# KiCad board element_foxtrot.kicad_pcb (continued)
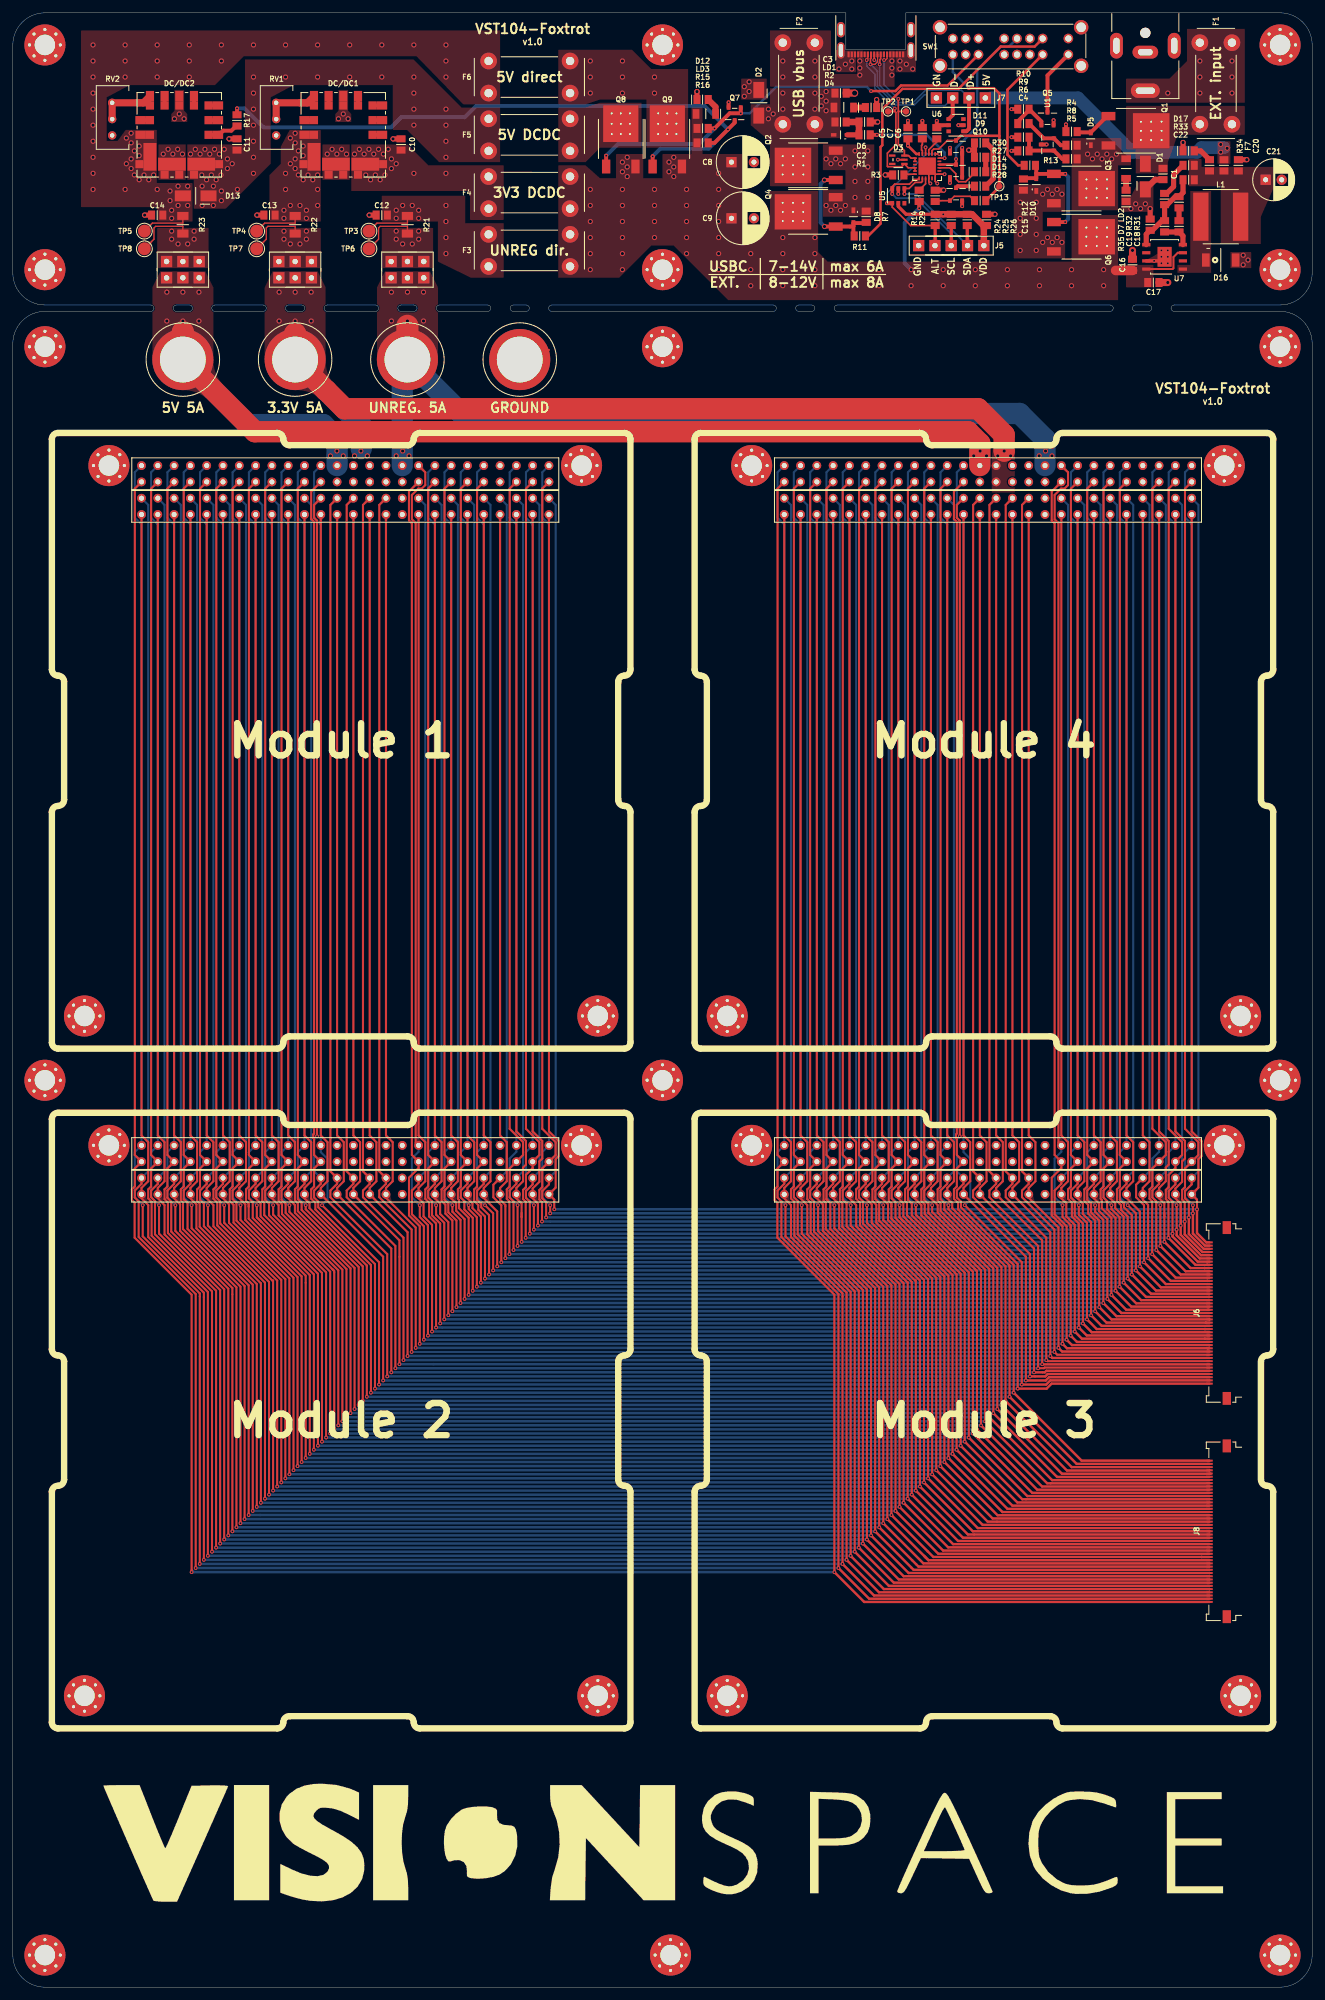
[diagram p0: board, top side]
## Copper pours and planes (outline as drawn; the poured copper is in the pictures) (continued)
/H2-19 on Top: 142.08,129.34 142.14,129.27 142.2,129.21 142.25,129.13 142.29,129.06 142.32,128.99 142.35,128.91 142.38,128.83 142.39,128.74 142.4,128.66 142.4,128.57 143.33,128.32 143.08,129.25 142.99,129.25 142.91,129.26 142.82,129.27 142.74,129.3 142.66,129.33 142.59,129.36 142.52,129.4 142.44,129.45 142.38,129.51 142.31,129.57
/H2-19 on Top: 142.31,233.44 142.38,233.5 142.44,233.56 142.52,233.61 142.59,233.65 142.66,233.68 142.74,233.71 142.82,233.74 142.91,233.75 142.99,233.76 143.08,233.76 143.33,234.69 142.4,234.44 142.4,234.35 142.39,234.27 142.38,234.18 142.35,234.1 142.32,234.02 142.29,233.95 142.25,233.88 142.2,233.8 142.14,233.74 142.08,233.67
/H2-19 on Top: 142.31,127.56 142.38,127.62 142.44,127.68 142.52,127.73 142.59,127.77 142.66,127.8 142.74,127.83 142.82,127.86 142.91,127.87 142.99,127.88 143.08,127.88 143.33,128.81 142.4,128.56 142.4,128.47 142.39,128.39 142.38,128.3 142.35,128.22 142.32,128.14 142.29,128.07 142.25,128 142.2,127.92 142.14,127.86 142.08,127.79
/H2-20 on Bottom: 42.14,235.98 42.21,236.04 42.27,236.1 42.35,236.15 42.42,236.19 42.49,236.22 42.57,236.25 42.65,236.28 42.74,236.29 42.82,236.3 42.91,236.3 43.16,237.23 42.23,236.98 42.23,236.89 42.22,236.81 42.21,236.72 42.18,236.64 42.15,236.56 42.12,236.49 42.08,236.42 42.03,236.34 41.97,236.28 41.91,236.21
/H2-20 on Bottom: 42.75,132.36 42.75,132.27 42.74,132.18 42.73,132.1 42.7,132.02 42.67,131.94 42.64,131.86 42.6,131.79 42.55,131.72 42.5,131.66 42.44,131.59 42.92,130.76 43.39,131.59 43.33,131.66 43.28,131.72 43.23,131.79 43.19,131.86 43.16,131.94 43.13,132.02 43.1,132.1 43.09,132.18 43.08,132.27 43.08,132.36
/H2-20 on Bottom: 42.14,130.1 42.21,130.16 42.27,130.22 42.35,130.27 42.42,130.31 42.49,130.34 42.57,130.37 42.65,130.4 42.74,130.41 42.82,130.42 42.91,130.42 43.16,131.35 42.23,131.1 42.23,131.01 42.22,130.93 42.21,130.84 42.18,130.76 42.15,130.68 42.12,130.61 42.08,130.54 42.03,130.46 41.97,130.4 41.91,130.33
/H2-20 on Bottom: 142.31,235.98 142.38,236.04 142.44,236.1 142.52,236.15 142.59,236.19 142.66,236.22 142.74,236.25 142.82,236.28 142.91,236.29 142.99,236.3 143.08,236.3 143.33,237.23 142.4,236.98 142.4,236.89 142.39,236.81 142.38,236.72 142.35,236.64 142.32,236.56 142.29,236.49 142.25,236.42 142.2,236.34 142.14,236.28 142.08,236.21
/H2-20 on Bottom: 142.92,132.36 142.92,132.27 142.91,132.18 142.9,132.1 142.87,132.02 142.84,131.94 142.81,131.86 142.77,131.79 142.72,131.72 142.67,131.66 142.61,131.59 143.09,130.76 143.56,131.59 143.5,131.66 143.45,131.72 143.4,131.79 143.36,131.86 143.33,131.94 143.3,132.02 143.27,132.1 143.26,132.18 143.25,132.27 143.25,132.36
/H2-20 on Bottom: 142.31,130.1 142.38,130.16 142.44,130.22 142.52,130.27 142.59,130.31 142.66,130.34 142.74,130.37 142.82,130.4 142.91,130.41 142.99,130.42 143.08,130.42 143.33,131.35 142.4,131.1 142.4,131.01 142.39,130.93 142.38,130.84 142.35,130.76 142.32,130.68 142.29,130.61 142.25,130.54 142.2,130.46 142.14,130.4 142.08,130.33
/H2-21 on Top: 44.68,127.56 44.75,127.62 44.81,127.68 44.89,127.73 44.96,127.77 45.03,127.8 45.11,127.83 45.19,127.86 45.28,127.87 45.36,127.88 45.45,127.88 45.7,128.81 44.77,128.56 44.77,128.47 44.76,128.39 44.75,128.3 44.72,128.22 44.69,128.14 44.66,128.07 44.62,128 44.57,127.92 44.51,127.86 44.45,127.79
/H2-21 on Top: 44.45,129.34 44.51,129.27 44.57,129.21 44.62,129.13 44.66,129.06 44.69,128.99 44.72,128.91 44.75,128.83 44.76,128.74 44.77,128.66 44.77,128.57 45.7,128.32 45.45,129.25 45.36,129.25 45.28,129.26 45.19,129.27 45.11,129.3 45.03,129.33 44.96,129.36 44.89,129.4 44.81,129.45 44.75,129.51 44.68,129.57
/H2-21 on Top: 44.68,233.44 44.75,233.5 44.81,233.56 44.89,233.61 44.96,233.65 45.03,233.68 45.11,233.71 45.19,233.74 45.28,233.75 45.36,233.76 45.45,233.76 45.7,234.69 44.77,234.44 44.77,234.35 44.76,234.27 44.75,234.18 44.72,234.1 44.69,234.02 44.66,233.95 44.62,233.88 44.57,233.8 44.51,233.74 44.45,233.67
/H2-21 on Top: 144.85,233.44 144.92,233.5 144.98,233.56 145.06,233.61 145.13,233.65 145.2,233.68 145.28,233.71 145.36,233.74 145.45,233.75 145.53,233.76 145.62,233.76 145.87,234.69 144.94,234.44 144.94,234.35 144.93,234.27 144.92,234.18 144.89,234.1 144.86,234.02 144.83,233.95 144.79,233.88 144.74,233.8 144.68,233.74 144.62,233.67
/H2-21 on Top: 144.62,129.34 144.68,129.27 144.74,129.21 144.79,129.13 144.83,129.06 144.86,128.99 144.89,128.91 144.92,128.83 144.93,128.74 144.94,128.66 144.94,128.57 145.87,128.32 145.62,129.25 145.53,129.25 145.45,129.26 145.36,129.27 145.28,129.3 145.2,129.33 145.13,129.36 145.06,129.4 144.98,129.45 144.92,129.51 144.85,129.57
/H2-21 on Top: 144.85,127.56 144.92,127.62 144.98,127.68 145.06,127.73 145.13,127.77 145.2,127.8 145.28,127.83 145.36,127.86 145.45,127.87 145.53,127.88 145.62,127.88 145.87,128.81 144.94,128.56 144.94,128.47 144.93,128.39 144.92,128.3 144.89,128.22 144.86,128.14 144.83,128.07 144.79,128 144.74,127.92 144.68,127.86 144.62,127.79
/H2-22 on Bottom: 44.68,235.98 44.75,236.04 44.81,236.1 44.89,236.15 44.96,236.19 45.03,236.22 45.11,236.25 45.19,236.28 45.28,236.29 45.36,236.3 45.45,236.3 45.7,237.23 44.77,236.98 44.77,236.89 44.76,236.81 44.75,236.72 44.72,236.64 44.69,236.56 44.66,236.49 44.62,236.42 44.57,236.34 44.51,236.28 44.45,236.21
/H2-22 on Bottom: 45.29,132.36 45.29,132.27 45.28,132.18 45.27,132.1 45.24,132.02 45.21,131.94 45.18,131.86 45.14,131.79 45.09,131.72 45.04,131.66 44.98,131.59 45.45,130.76 45.93,131.59 45.87,131.66 45.82,131.72 45.77,131.79 45.73,131.86 45.7,131.94 45.67,132.02 45.64,132.1 45.63,132.18 45.62,132.27 45.62,132.36
/H2-22 on Bottom: 44.68,130.1 44.75,130.16 44.81,130.22 44.89,130.27 44.96,130.31 45.03,130.34 45.11,130.37 45.19,130.4 45.28,130.41 45.36,130.42 45.45,130.42 45.7,131.35 44.77,131.1 44.77,131.01 44.76,130.93 44.75,130.84 44.72,130.76 44.69,130.68 44.66,130.61 44.62,130.54 44.57,130.46 44.51,130.4 44.45,130.33
/H2-22 on Bottom: 144.85,235.98 144.92,236.04 144.98,236.1 145.06,236.15 145.13,236.19 145.2,236.22 145.28,236.25 145.36,236.28 145.45,236.29 145.53,236.3 145.62,236.3 145.87,237.23 144.94,236.98 144.94,236.89 144.93,236.81 144.92,236.72 144.89,236.64 144.86,236.56 144.83,236.49 144.79,236.42 144.74,236.34 144.68,236.28 144.62,236.21
/H2-22 on Bottom: 145.46,132.36 145.46,132.27 145.45,132.18 145.44,132.1 145.41,132.02 145.38,131.94 145.35,131.86 145.31,131.79 145.26,131.72 145.21,131.66 145.15,131.59 145.62,130.76 146.1,131.59 146.04,131.66 145.99,131.72 145.94,131.79 145.9,131.86 145.87,131.94 145.84,132.02 145.81,132.1 145.8,132.18 145.79,132.27 145.79,132.36
/H2-22 on Bottom: 144.85,130.1 144.92,130.16 144.98,130.22 145.06,130.27 145.13,130.31 145.2,130.34 145.28,130.37 145.36,130.4 145.45,130.41 145.53,130.42 145.62,130.42 145.87,131.35 144.94,131.1 144.94,131.01 144.93,130.93 144.92,130.84 144.89,130.76 144.86,130.68 144.83,130.61 144.79,130.54 144.74,130.46 144.68,130.4 144.62,130.33
/H2-23 on Top: 47.22,127.56 47.29,127.62 47.35,127.68 47.43,127.73 47.5,127.77 47.57,127.8 47.65,127.83 47.73,127.86 47.82,127.87 47.9,127.88 47.99,127.88 48.24,128.81 47.31,128.56 47.31,128.47 47.3,128.39 47.29,128.3 47.26,128.22 47.23,128.14 47.2,128.07 47.16,128 47.11,127.92 47.05,127.86 46.99,127.79
/H2-23 on Top: 46.99,129.34 47.05,129.27 47.11,129.21 47.16,129.13 47.2,129.06 47.23,128.99 47.26,128.91 47.29,128.83 47.3,128.74 47.31,128.66 47.31,128.57 48.24,128.32 47.99,129.25 47.9,129.25 47.82,129.26 47.73,129.27 47.65,129.3 47.57,129.33 47.5,129.36 47.43,129.4 47.35,129.45 47.29,129.51 47.22,129.57
/H2-23 on Top: 47.22,233.44 47.29,233.5 47.35,233.56 47.43,233.61 47.5,233.65 47.57,233.68 47.65,233.71 47.73,233.74 47.82,233.75 47.9,233.76 47.99,233.76 48.24,234.69 47.31,234.44 47.31,234.35 47.3,234.27 47.29,234.18 47.26,234.1 47.23,234.02 47.2,233.95 47.16,233.88 47.11,233.8 47.05,233.74 46.99,233.67
/H2-23 on Top: 147.16,129.34 147.22,129.27 147.28,129.21 147.33,129.13 147.37,129.06 147.4,128.99 147.43,128.91 147.46,128.83 147.47,128.74 147.48,128.66 147.48,128.57 148.41,128.32 148.16,129.25 148.07,129.25 147.99,129.26 147.9,129.27 147.82,129.3 147.74,129.33 147.67,129.36 147.6,129.4 147.52,129.45 147.46,129.51 147.39,129.57
/H2-23 on Top: 147.39,233.44 147.46,233.5 147.52,233.56 147.6,233.61 147.67,233.65 147.74,233.68 147.82,233.71 147.9,233.74 147.99,233.75 148.07,233.76 148.16,233.76 148.41,234.69 147.48,234.44 147.48,234.35 147.47,234.27 147.46,234.18 147.43,234.1 147.4,234.02 147.37,233.95 147.33,233.88 147.28,233.8 147.22,233.74 147.16,233.67
/H2-23 on Top: 147.39,127.56 147.46,127.62 147.52,127.68 147.6,127.73 147.67,127.77 147.74,127.8 147.82,127.83 147.9,127.86 147.99,127.87 148.07,127.88 148.16,127.88 148.41,128.81 147.48,128.56 147.48,128.47 147.47,128.39 147.46,128.3 147.43,128.22 147.4,128.14 147.37,128.07 147.33,128 147.28,127.92 147.22,127.86 147.16,127.79
/H2-24 on Bottom: 47.22,235.98 47.29,236.04 47.35,236.1 47.43,236.15 47.5,236.19 47.57,236.22 47.65,236.25 47.73,236.28 47.82,236.29 47.9,236.3 47.99,236.3 48.24,237.23 47.31,236.98 47.31,236.89 47.3,236.81 47.29,236.72 47.26,236.64 47.23,236.56 47.2,236.49 47.16,236.42 47.11,236.34 47.05,236.28 46.99,236.21
/H2-24 on Bottom: 47.83,132.36 47.83,132.27 47.82,132.18 47.81,132.1 47.78,132.02 47.75,131.94 47.72,131.86 47.68,131.79 47.63,131.72 47.58,131.66 47.52,131.59 48,130.76 48.47,131.59 48.41,131.66 48.36,131.72 48.31,131.79 48.27,131.86 48.24,131.94 48.21,132.02 48.18,132.1 48.17,132.18 48.16,132.27 48.16,132.36
/H2-24 on Bottom: 48.16,130.06 48.16,130.11 48.17,130.16 48.18,130.21 48.21,130.27 48.24,130.32 48.27,130.38 48.31,130.44 48.36,130.5 48.41,130.56 48.47,130.62 48,131.45 47.52,130.62 47.58,130.56 47.63,130.5 47.68,130.44 47.72,130.38 47.75,130.32 47.78,130.27 47.81,130.21 47.82,130.16 47.83,130.11 47.83,130.06
/H2-24 on Bottom: 147.39,235.98 147.46,236.04 147.52,236.1 147.6,236.15 147.67,236.19 147.74,236.22 147.82,236.25 147.9,236.28 147.99,236.29 148.07,236.3 148.16,236.3 148.41,237.23 147.48,236.98 147.48,236.89 147.47,236.81 147.46,236.72 147.43,236.64 147.4,236.56 147.37,236.49 147.33,236.42 147.28,236.34 147.22,236.28 147.16,236.21
/H2-24 on Bottom: 148,132.36 148,132.27 147.99,132.18 147.98,132.1 147.95,132.02 147.92,131.94 147.89,131.86 147.85,131.79 147.8,131.72 147.75,131.66 147.69,131.59 148.16,130.76 148.64,131.59 148.58,131.66 148.53,131.72 148.48,131.79 148.44,131.86 148.41,131.94 148.38,132.02 148.35,132.1 148.34,132.18 148.33,132.27 148.33,132.36
/H2-24 on Bottom: 148.33,130.06 148.33,130.11 148.34,130.16 148.35,130.21 148.38,130.27 148.41,130.32 148.44,130.38 148.48,130.44 148.53,130.5 148.58,130.56 148.64,130.62 148.16,131.45 147.69,130.62 147.75,130.56 147.8,130.5 147.85,130.44 147.89,130.38 147.92,130.32 147.95,130.27 147.98,130.21 147.99,130.16 148,130.11 148,130.06
/H2-35 on Top: 63.4,127.57 63.4,127.61 63.41,127.65 63.42,127.7 63.45,127.75 63.48,127.8 63.51,127.85 63.55,127.9 63.6,127.96 63.65,128.02 63.71,128.08 63.23,128.91 62.76,128.08 62.82,128.02 62.87,127.96 62.92,127.9 62.96,127.85 62.99,127.8 63.02,127.75 63.05,127.7 63.06,127.65 63.07,127.61 63.07,127.57
/H2-35 on Top: 62.23,129.34 62.29,129.27 62.35,129.21 62.4,129.13 62.44,129.06 62.47,128.99 62.5,128.91 62.53,128.83 62.54,128.74 62.55,128.66 62.55,128.57 63.48,128.32 63.23,129.25 63.14,129.25 63.06,129.26 62.97,129.27 62.89,129.3 62.81,129.33 62.74,129.36 62.67,129.4 62.59,129.45 62.53,129.51 62.46,129.57
/H2-35 on Top: 62.46,233.44 62.53,233.5 62.59,233.56 62.67,233.61 62.74,233.65 62.81,233.68 62.89,233.71 62.97,233.74 63.06,233.75 63.14,233.76 63.23,233.76 63.48,234.69 62.55,234.44 62.55,234.35 62.54,234.27 62.53,234.18 62.5,234.1 62.47,234.02 62.44,233.95 62.4,233.88 62.35,233.8 62.29,233.74 62.23,233.67
/H2-35 on Top: 162.4,129.34 162.46,129.27 162.52,129.21 162.57,129.13 162.61,129.06 162.64,128.99 162.67,128.91 162.7,128.83 162.71,128.74 162.72,128.66 162.72,128.57 163.65,128.32 163.4,129.25 163.31,129.25 163.23,129.26 163.14,129.27 163.06,129.3 162.98,129.33 162.91,129.36 162.84,129.4 162.76,129.45 162.7,129.51 162.63,129.57
/H2-35 on Top: 162.63,233.44 162.7,233.5 162.76,233.56 162.84,233.61 162.91,233.65 162.98,233.68 163.06,233.71 163.14,233.74 163.23,233.75 163.31,233.76 163.4,233.76 163.65,234.69 162.72,234.44 162.72,234.35 162.71,234.27 162.7,234.18 162.67,234.1 162.64,234.02 162.61,233.95 162.57,233.88 162.52,233.8 162.46,233.74 162.4,233.67
/H2-35 on Top: 163.57,127.57 163.57,127.61 163.58,127.65 163.59,127.7 163.62,127.75 163.65,127.8 163.68,127.85 163.72,127.9 163.77,127.96 163.82,128.02 163.88,128.08 163.41,128.91 162.93,128.08 162.99,128.02 163.04,127.96 163.09,127.9 163.13,127.85 163.16,127.8 163.19,127.75 163.22,127.7 163.23,127.65 163.24,127.61 163.24,127.57
/H2-36 on Top: 62.62,132.81 62.71,132.64 62.77,132.47 62.82,132.32 62.86,132.18 62.88,132.05 62.89,131.94 62.88,131.83 62.85,131.74 62.81,131.66 62.76,131.59 63.23,130.76 63.71,131.59 63.65,131.66 63.58,131.74 63.51,131.83 63.44,131.94 63.36,132.05 63.29,132.18 63.2,132.32 63.12,132.47 63.04,132.64 62.95,132.81
/H2-36 on Top: 64.24,236.21 64.18,236.28 64.12,236.34 64.07,236.42 64.03,236.49 64,236.56 63.97,236.64 63.94,236.72 63.93,236.81 63.92,236.89 63.92,236.98 62.99,237.23 63.24,236.3 63.33,236.3 63.41,236.29 63.5,236.28 63.58,236.25 63.66,236.22 63.73,236.19 63.8,236.15 63.88,236.1 63.94,236.04 64.01,235.98
/H2-36 on Top: 164.41,236.21 164.35,236.28 164.29,236.34 164.24,236.42 164.2,236.49 164.17,236.56 164.14,236.64 164.11,236.72 164.1,236.81 164.09,236.89 164.09,236.98 163.16,237.23 163.41,236.3 163.5,236.3 163.58,236.29 163.67,236.28 163.75,236.25 163.83,236.22 163.9,236.19 163.97,236.15 164.05,236.1 164.11,236.04 164.18,235.98
/H2-36 on Top: 162.79,132.81 162.88,132.64 162.94,132.47 162.99,132.32 163.03,132.18 163.05,132.05 163.06,131.94 163.05,131.83 163.02,131.74 162.98,131.66 162.93,131.59 163.41,130.76 163.88,131.59 163.82,131.66 163.75,131.74 163.68,131.83 163.61,131.94 163.53,132.05 163.46,132.18 163.37,132.32 163.29,132.47 163.21,132.64 163.12,132.81
/H2-36 on Bottom: 63.4,130.11 63.4,130.15 63.41,130.19 63.42,130.24 63.45,130.29 63.48,130.34 63.51,130.39 63.55,130.44 63.6,130.5 63.65,130.56 63.71,130.62 63.23,131.45 62.76,130.62 62.82,130.56 62.87,130.5 62.92,130.44 62.96,130.39 62.99,130.34 63.02,130.29 63.05,130.24 63.06,130.19 63.07,130.15 63.07,130.11
/H2-36 on Bottom: 163.57,130.11 163.57,130.15 163.58,130.19 163.59,130.24 163.62,130.29 163.65,130.34 163.68,130.39 163.72,130.44 163.77,130.5 163.82,130.56 163.88,130.62 163.41,131.45 162.93,130.62 162.99,130.56 163.04,130.5 163.09,130.44 163.13,130.39 163.16,130.34 163.19,130.29 163.22,130.24 163.23,130.19 163.24,130.15 163.24,130.11
/H2-37 on Top: 65,127.56 65.07,127.62 65.13,127.68 65.21,127.73 65.28,127.77 65.35,127.8 65.43,127.83 65.51,127.86 65.6,127.87 65.68,127.88 65.77,127.88 66.02,128.81 65.09,128.56 65.09,128.47 65.08,128.39 65.07,128.3 65.04,128.22 65.01,128.14 64.98,128.07 64.94,128 64.89,127.92 64.83,127.86 64.77,127.79
/H2-37 on Top: 64.77,129.34 64.83,129.27 64.89,129.21 64.94,129.13 64.98,129.06 65.01,128.99 65.04,128.91 65.07,128.83 65.08,128.74 65.09,128.66 65.09,128.57 66.02,128.32 65.77,129.25 65.68,129.25 65.6,129.26 65.51,129.27 65.43,129.3 65.35,129.33 65.28,129.36 65.21,129.4 65.13,129.45 65.07,129.51 65,129.57
/H2-37 on Top: 65,233.44 65.07,233.5 65.13,233.56 65.21,233.61 65.28,233.65 65.35,233.68 65.43,233.71 65.51,233.74 65.6,233.75 65.68,233.76 65.77,233.76 66.02,234.69 65.09,234.44 65.09,234.35 65.08,234.27 65.07,234.18 65.04,234.1 65.01,234.02 64.98,233.95 64.94,233.88 64.89,233.8 64.83,233.74 64.77,233.67
/H2-37 on Top: 164.94,129.34 165,129.27 165.06,129.21 165.11,129.13 165.15,129.06 165.18,128.99 165.21,128.91 165.24,128.83 165.25,128.74 165.26,128.66 165.26,128.57 166.19,128.32 165.94,129.25 165.85,129.25 165.77,129.26 165.68,129.27 165.6,129.3 165.52,129.33 165.45,129.36 165.38,129.4 165.3,129.45 165.24,129.51 165.17,129.57
/H2-37 on Top: 165.17,233.44 165.24,233.5 165.3,233.56 165.38,233.61 165.45,233.65 165.52,233.68 165.6,233.71 165.68,233.74 165.77,233.75 165.85,233.76 165.94,233.76 166.19,234.69 165.26,234.44 165.26,234.35 165.25,234.27 165.24,234.18 165.21,234.1 165.18,234.02 165.15,233.95 165.11,233.88 165.06,233.8 165,233.74 164.94,233.67
/H2-37 on Top: 165.17,127.56 165.24,127.62 165.3,127.68 165.38,127.73 165.45,127.77 165.52,127.8 165.6,127.83 165.68,127.86 165.77,127.87 165.85,127.88 165.94,127.88 166.19,128.81 165.26,128.56 165.26,128.47 165.25,128.39 165.24,128.3 165.21,128.22 165.18,128.14 165.15,128.07 165.11,128 165.06,127.92 165,127.86 164.94,127.79
/H2-38 on Bottom: 65,235.98 65.07,236.04 65.13,236.1 65.21,236.15 65.28,236.19 65.35,236.22 65.43,236.25 65.51,236.28 65.6,236.29 65.68,236.3 65.77,236.3 66.02,237.23 65.09,236.98 65.09,236.89 65.08,236.81 65.07,236.72 65.04,236.64 65.01,236.56 64.98,236.49 64.94,236.42 64.89,236.34 64.83,236.28 64.77,236.21
/H2-38 on Bottom: 65.61,132.36 65.61,132.27 65.6,132.18 65.59,132.1 65.56,132.02 65.53,131.94 65.5,131.86 65.46,131.79 65.41,131.72 65.36,131.66 65.3,131.59 65.78,130.76 66.25,131.59 66.19,131.66 66.14,131.72 66.09,131.79 66.05,131.86 66.02,131.94 65.99,132.02 65.96,132.1 65.95,132.18 65.94,132.27 65.94,132.36
/H2-38 on Bottom: 65,130.1 65.07,130.16 65.13,130.22 65.21,130.27 65.28,130.31 65.35,130.34 65.43,130.37 65.51,130.4 65.6,130.41 65.68,130.42 65.77,130.42 66.02,131.35 65.09,131.1 65.09,131.01 65.08,130.93 65.07,130.84 65.04,130.76 65.01,130.68 64.98,130.61 64.94,130.54 64.89,130.46 64.83,130.4 64.77,130.33
/H2-38 on Bottom: 165.17,235.98 165.24,236.04 165.3,236.1 165.38,236.15 165.45,236.19 165.52,236.22 165.6,236.25 165.68,236.28 165.77,236.29 165.85,236.3 165.94,236.3 166.19,237.23 165.26,236.98 165.26,236.89 165.25,236.81 165.24,236.72 165.21,236.64 165.18,236.56 165.15,236.49 165.11,236.42 165.06,236.34 165,236.28 164.94,236.21
/H2-38 on Bottom: 165.78,132.36 165.78,132.27 165.77,132.18 165.76,132.1 165.73,132.02 165.7,131.94 165.67,131.86 165.63,131.79 165.58,131.72 165.53,131.66 165.47,131.59 165.94,130.76 166.42,131.59 166.36,131.66 166.31,131.72 166.26,131.79 166.22,131.86 166.19,131.94 166.16,132.02 166.13,132.1 166.12,132.18 166.11,132.27 166.11,132.36
/H2-38 on Bottom: 165.17,130.1 165.24,130.16 165.3,130.22 165.38,130.27 165.45,130.31 165.52,130.34 165.6,130.37 165.68,130.4 165.77,130.41 165.85,130.42 165.94,130.42 166.19,131.35 165.26,131.1 165.26,131.01 165.25,130.93 165.24,130.84 165.21,130.76 165.18,130.68 165.15,130.61 165.11,130.54 165.06,130.46 165,130.4 164.94,130.33
/H2-39 on Top: 67.54,127.56 67.61,127.62 67.67,127.68 67.75,127.73 67.82,127.77 67.89,127.8 67.97,127.83 68.05,127.86 68.14,127.87 68.22,127.88 68.31,127.88 68.56,128.81 67.63,128.56 67.63,128.47 67.62,128.39 67.61,128.3 67.58,128.22 67.55,128.14 67.52,128.07 67.48,128 67.43,127.92 67.37,127.86 67.31,127.79
/H2-39 on Top: 67.54,233.44 67.61,233.5 67.67,233.56 67.75,233.61 67.82,233.65 67.89,233.68 67.97,233.71 68.05,233.74 68.14,233.75 68.22,233.76 68.31,233.76 68.56,234.69 67.63,234.44 67.63,234.35 67.62,234.27 67.61,234.18 67.58,234.1 67.55,234.02 67.52,233.95 67.48,233.88 67.43,233.8 67.37,233.74 67.31,233.67
/H2-39 on Top: 67.31,129.34 67.37,129.27 67.43,129.21 67.48,129.13 67.52,129.06 67.55,128.99 67.58,128.91 67.61,128.83 67.62,128.74 67.63,128.66 67.63,128.57 68.56,128.32 68.31,129.25 68.22,129.25 68.14,129.26 68.05,129.27 67.97,129.3 67.89,129.33 67.82,129.36 67.75,129.4 67.67,129.45 67.61,129.51 67.54,129.57
/H2-39 on Top: 167.48,129.34 167.54,129.27 167.6,129.21 167.65,129.13 167.69,129.06 167.72,128.99 167.75,128.91 167.78,128.83 167.79,128.74 167.8,128.66 167.8,128.57 168.73,128.32 168.48,129.25 168.39,129.25 168.31,129.26 168.22,129.27 168.14,129.3 168.06,129.33 167.99,129.36 167.92,129.4 167.84,129.45 167.78,129.51 167.71,129.57
/H2-39 on Top: 167.71,233.44 167.78,233.5 167.84,233.56 167.92,233.61 167.99,233.65 168.06,233.68 168.14,233.71 168.22,233.74 168.31,233.75 168.39,233.76 168.48,233.76 168.73,234.69 167.8,234.44 167.8,234.35 167.79,234.27 167.78,234.18 167.75,234.1 167.72,234.02 167.69,233.95 167.65,233.88 167.6,233.8 167.54,233.74 167.48,233.67
/H2-39 on Top: 167.71,127.56 167.78,127.62 167.84,127.68 167.92,127.73 167.99,127.77 168.06,127.8 168.14,127.83 168.22,127.86 168.31,127.87 168.39,127.88 168.48,127.88 168.73,128.81 167.8,128.56 167.8,128.47 167.79,128.39 167.78,128.3 167.75,128.22 167.72,128.14 167.69,128.07 167.65,128 167.6,127.92 167.54,127.86 167.48,127.79
/H2-40 on Bottom: 67.54,130.1 67.61,130.16 67.67,130.22 67.75,130.27 67.82,130.31 67.89,130.34 67.97,130.37 68.05,130.4 68.14,130.41 68.22,130.42 68.31,130.42 68.56,131.35 67.63,131.1 67.63,131.01 67.62,130.93 67.61,130.84 67.58,130.76 67.55,130.68 67.52,130.61 67.48,130.54 67.43,130.46 67.37,130.4 67.31,130.33
/H2-40 on Bottom: 67.54,235.98 67.61,236.04 67.67,236.1 67.75,236.15 67.82,236.19 67.89,236.22 67.97,236.25 68.05,236.28 68.14,236.29 68.22,236.3 68.31,236.3 68.56,237.23 67.63,236.98 67.63,236.89 67.62,236.81 67.61,236.72 67.58,236.64 67.55,236.56 67.52,236.49 67.48,236.42 67.43,236.34 67.37,236.28 67.31,236.21
/H2-40 on Bottom: 68.15,132.36 68.15,132.27 68.14,132.18 68.13,132.1 68.1,132.02 68.07,131.94 68.04,131.86 68,131.79 67.95,131.72 67.9,131.66 67.84,131.59 68.31,130.76 68.79,131.59 68.73,131.66 68.68,131.72 68.63,131.79 68.59,131.86 68.56,131.94 68.53,132.02 68.5,132.1 68.49,132.18 68.48,132.27 68.48,132.36
/H2-40 on Bottom: 167.71,130.1 167.78,130.16 167.84,130.22 167.92,130.27 167.99,130.31 168.06,130.34 168.14,130.37 168.22,130.4 168.31,130.41 168.39,130.42 168.48,130.42 168.73,131.35 167.8,131.1 167.8,131.01 167.79,130.93 167.78,130.84 167.75,130.76 167.72,130.68 167.69,130.61 167.65,130.54 167.6,130.46 167.54,130.4 167.48,130.33
/H2-40 on Bottom: 167.71,235.98 167.78,236.04 167.84,236.1 167.92,236.15 167.99,236.19 168.06,236.22 168.14,236.25 168.22,236.28 168.31,236.29 168.39,236.3 168.48,236.3 168.73,237.23 167.8,236.98 167.8,236.89 167.79,236.81 167.78,236.72 167.75,236.64 167.72,236.56 167.69,236.49 167.65,236.42 167.6,236.34 167.54,236.28 167.48,236.21
/H2-40 on Bottom: 168.32,132.36 168.32,132.27 168.31,132.18 168.3,132.1 168.27,132.02 168.24,131.94 168.21,131.86 168.17,131.79 168.12,131.72 168.07,131.66 168.01,131.59 168.49,130.76 168.96,131.59 168.9,131.66 168.85,131.72 168.8,131.79 168.76,131.86 168.73,131.94 168.7,132.02 168.67,132.1 168.66,132.18 168.65,132.27 168.65,132.36
/H2-41 on Top: 70.08,127.56 70.15,127.62 70.21,127.68 70.29,127.73 70.36,127.77 70.43,127.8 70.51,127.83 70.59,127.86 70.68,127.87 70.76,127.88 70.85,127.88 71.1,128.81 70.17,128.56 70.17,128.47 70.16,128.39 70.15,128.3 70.12,128.22 70.09,128.14 70.06,128.07 70.02,128 69.97,127.92 69.91,127.86 69.85,127.79
/H2-41 on Top: 69.85,129.34 69.91,129.27 69.97,129.21 70.02,129.13 70.06,129.06 70.09,128.99 70.12,128.91 70.15,128.83 70.16,128.74 70.17,128.66 70.17,128.57 71.1,128.32 70.85,129.25 70.76,129.25 70.68,129.26 70.59,129.27 70.51,129.3 70.43,129.33 70.36,129.36 70.29,129.4 70.21,129.45 70.15,129.51 70.08,129.57
/H2-41 on Top: 70.08,233.44 70.15,233.5 70.21,233.56 70.29,233.61 70.36,233.65 70.43,233.68 70.51,233.71 70.59,233.74 70.68,233.75 70.76,233.76 70.85,233.76 71.1,234.69 70.17,234.44 70.17,234.35 70.16,234.27 70.15,234.18 70.12,234.1 70.09,234.02 70.06,233.95 70.02,233.88 69.97,233.8 69.91,233.74 69.85,233.67
/H2-41 on Top: 170.25,127.56 170.32,127.62 170.38,127.68 170.46,127.73 170.53,127.77 170.6,127.8 170.68,127.83 170.76,127.86 170.85,127.87 170.93,127.88 171.02,127.88 171.27,128.81 170.34,128.56 170.34,128.47 170.33,128.39 170.32,128.3 170.29,128.22 170.26,128.14 170.23,128.07 170.19,128 170.14,127.92 170.08,127.86 170.02,127.79
/H2-41 on Top: 170.02,129.34 170.08,129.27 170.14,129.21 170.19,129.13 170.23,129.06 170.26,128.99 170.29,128.91 170.32,128.83 170.33,128.74 170.34,128.66 170.34,128.57 171.27,128.32 171.02,129.25 170.93,129.25 170.85,129.26 170.76,129.27 170.68,129.3 170.6,129.33 170.53,129.36 170.46,129.4 170.38,129.45 170.32,129.51 170.25,129.57
/H2-41 on Top: 170.25,233.44 170.32,233.5 170.38,233.56 170.46,233.61 170.53,233.65 170.6,233.68 170.68,233.71 170.76,233.74 170.85,233.75 170.93,233.76 171.02,233.76 171.27,234.69 170.34,234.44 170.34,234.35 170.33,234.27 170.32,234.18 170.29,234.1 170.26,234.02 170.23,233.95 170.19,233.88 170.14,233.8 170.08,233.74 170.02,233.67
/H2-42 on Bottom: 70.69,132.36 70.69,132.27 70.68,132.18 70.67,132.1 70.64,132.02 70.61,131.94 70.58,131.86 70.54,131.79 70.49,131.72 70.44,131.66 70.38,131.59 70.86,130.76 71.33,131.59 71.27,131.66 71.22,131.72 71.17,131.79 71.13,131.86 71.1,131.94 71.07,132.02 71.04,132.1 71.03,132.18 71.02,132.27 71.02,132.36
/H2-42 on Bottom: 70.08,235.98 70.15,236.04 70.21,236.1 70.29,236.15 70.36,236.19 70.43,236.22 70.51,236.25 70.59,236.28 70.68,236.29 70.76,236.3 70.85,236.3 71.1,237.23 70.17,236.98 70.17,236.89 70.16,236.81 70.15,236.72 70.12,236.64 70.09,236.56 70.06,236.49 70.02,236.42 69.97,236.34 69.91,236.28 69.85,236.21
